# Altium PCB LimeSDR-Micro_M.2_1v0.PcbDoc (part 5 of 7)
Units mm, origin at the board's own origin, x right, y up, seen from the top; angles counter-clockwise.
Board outline 80 x 22 mm, 8 copper layers (Top, L2, L3, L4, L5, L6, L7, Bottom), stack 0.775 mm thick; 661 components, 371 nets, 2334 pads, 807 vias.
Unrouted connection lines stored in the file: 254.
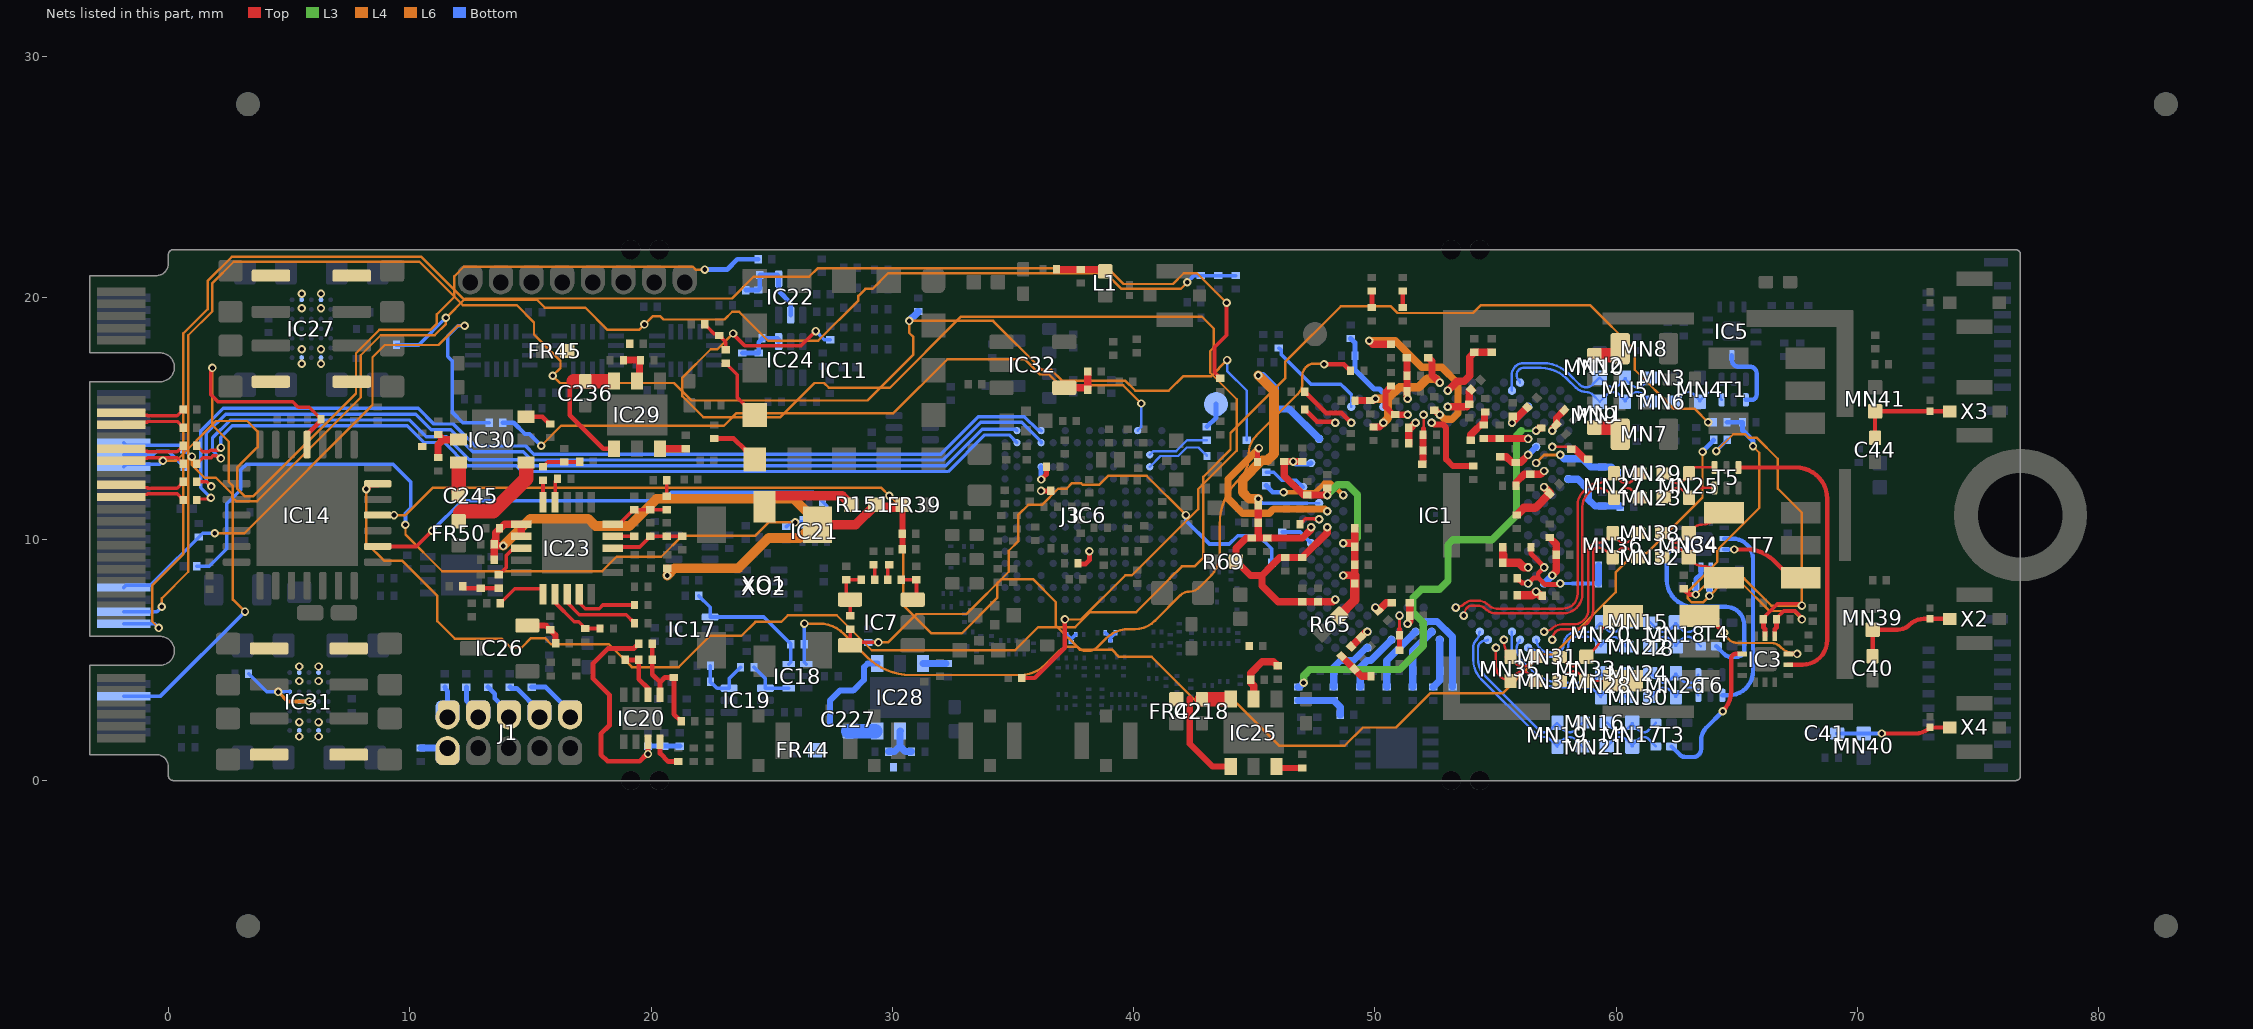
[diagram p11: the nets of this part, all layers, seen from the top]

## Via types
v1: diameter 0.35, hole 0.2, Top to Bottom, tented both sides, 696 vias
v2: diameter 0.35, hole 0.2, L5 to Bottom, tented both sides, 73 vias
v3: diameter 0.4, hole 0.2, Top to Bottom, tented both sides, 30 vias
v4: diameter 0.5, hole 0.2, Top to Bottom, tented both sides, 8 vias

## Nets (pads, with @x,y where several pads share a name; then routed paths per layer and width w, separated by ;. In a path a pad name is that pad's centre, name@x,y a point inside that pad or via, vN(x,y) a via of type N, cw(c..) or ccw(c..) an arc to the next point about the centre after c; other vN are vias at no path point) (continued)
NetC52_1: C52.1 C53.1 C59.1 C60.1 C61.1 C62.1 C63.1 C64.1 IC1.AA29 IC1.AE29 IC1.L33 IC1.R31 R65.2 | length 13.3
  Top w0.3: C60.1@46.98,13.219 C59.1@46.246,13.219 46.246,12.618 47.036,11.828 v1(48.02,11.828) C52.1@48.02,12.12 ; v1(48.686,9.83) 49.163,9.83 C63.1@49.163,10.46 ; v1@48.715,8.488 48.709,8.488 48.696,8.502 48.696,8.508 49.163,8.508 C61.1@49.163,8.935 C64.1@49.163,9.69
  Top w0.4: R65.2@48.516,6.825 49.163,7.472 C62.1@49.163,8.165 49.163,8.508
  L3 w0.3: v1(48.02,11.828) 48.445,12.253 48.862,12.253 49.275,11.84 49.275,10.059 49.046,9.83 v1(48.686,9.83)
  Bottom w0.2: v1(46.613,13.215) 46.71,13.118 47.206,13.118 47.219,13.131 47.326,13.131 IC1.L33@47.354,13.16
  other v1: 48.686,8.498
NetC54_1: C54.1 C55.1 C56.1 FR7.1 IC1.A17 IC1.C25 IC1.F24 | length 6.8
  Top w0.3: FR7.1@49.168,15.745 C56.1@49.813,15.745 49.926,15.745 50.005,15.824 v1(50.018,15.824) ; C54.1@49.94,14.651 50.19,14.651 50.351,14.812 v1(50.351,14.825) ; C55.1@52.216,17.525 52.366,17.375 52.366,16.807 v1(52.682,16.49)
  L4 w0.35: v1(50.018,15.824) 50.541,15.824 ; v1(50.351,14.825) 50.541,15.015 50.541,15.824 ; v1(52.682,16.49) 52.522,16.65 52.166,16.65 51.816,16.3 51.017,16.3 50.541,15.824
NetC57_2: C57.2 FR6.1 IC1.M4 | length 1.5
  Top w0.3: FR6.1@55.843,12.215 55.843,12.349 56.189,12.695 C57.2@56.438,12.695 56.866,12.695 56.998,12.827 v1(57.011,12.827)
NetC58_1: C58.1 FR5.1 IC1.AL21 | length 0.9
  Top w0.3: v1(51.35,6.5) 51.35,6.514 51.442,6.606 C58.1@51.442,6.825 51.442,7.37 FR5.1@51.441,7.37
NetC65_1: C65.1 IC1.G5 R66.1 | length 19.2
  Top w0.3: v1(56.678,14.492) 56.692,14.492 56.805,14.605 C65.1@56.891,14.605
  L3 w0.11: 56.074,14.492 v1@56.597,14.492
  L3 w0.3: v1(47.045,4.055) 47.045,4.345 47.3,4.6 51.025,4.6 52,5.575 52,6.55 51.575,6.975 51.575,7.575 51.925,7.925 52.675,7.925 53.025,8.275 53.025,9.775 53.225,9.975 54.85,9.975 55.866,10.991 55.866,14.3 56.066,14.5
  Bottom w0.3: R66.1@46.816,3.881 46.871,3.881 v1(47.045,4.055)
NetC66_1: C66.1 FR10.1 IC1.P4 | length 2.1
  Top w0.35: FR10.1@55.9,11.025 56.175,11.3 56.648,11.3 C66.1@57.24,11.892 57.24,11.932 v1(57.011,12.161)
NetC67_1: C67.1 FR21.1 IC1.D6 IC1.F8 | length 1.8
  Top w0.3: v1(55.679,14.825) 55.679,14.831 FR21.1@56.315,15.467
  Bottom w0.3: v1(55.679,14.825) IC1.D6@56.345,15.491
NetC68_1: C68.1 FR20.1 IC1.B16 | length 2.9
  Top w0.3: v1(53.015,16.157) 53.408,16.55 53.704,16.55 53.925,16.771 53.925,17.554 C68.1@54.116,17.745 FR20.1@54.841,17.745
NetC69_1: C69.1 C70.1 FR19.1 IC1.E19 | length 2
  Top w0.11: 52.016,14.6 v1(52.016,15.158)
  Top w0.2: C69.1@52.016,14.305 52.016,14.33 52.016,14.6
  Top w0.3: FR19.1@51.991,13.205 51.991,13.778 C69.1@51.991,14.305
NetC71_2: C71.2 FR18.1 IC1.F20 | length 1
  Top w0.3: FR18.1@51.396,13.975 C71.2@51.396,14.625 51.483,14.625 v1(51.683,14.825)
NetC72_1: C72.1 FR17.1 IC1.AJ25 | length 0.7
  Top w0.3: C72.1@50.14,7.038 50.472,7.37 FR17.1@50.691,7.37
  other v1: 50.018,7.166
NetC73_1: C73.1 IC1.AP26 R67.1 | length 2.5
  Bottom w0.3: R67.1@48.291,3.88 C73.1@48.291,4.55 48.291,4.689 48.577,4.975 49.112,4.975 49.628,5.491 49.676,5.491 IC1.AP26@49.685,5.501
NetC74_1: C74.1 FR15.1 IC1.AN23 | length 2.6
  Bottom w0.3: FR15.1@49.386,3.88 49.391,3.88 C74.1@49.391,4.55 49.391,4.689 49.677,4.975 49.825,4.975 IC1.AN23@50.684,5.834
NetC75_1: C75.1 FR14.1 IC1.AM20 | length 2.8
  Bottom w0.3: FR14.1@50.491,3.88 C75.1@50.491,4.55 50.491,4.975 IC1.AM20@51.683,6.167
NetC76_1: C76.1 FR13.1 IC1.AL19 | length 3.6
  Bottom w0.3: IC1.AL19@52.016,6.5 52.03,6.5 52.122,6.592 52.574,6.592 53.211,5.955 C76.1@53.211,4.55 FR13.1@53.211,3.88
NetC77_1: C77.1 FR12.1 IC1.AG5 | length 1.1
  Top w0.35: FR12.1@55.946,7.675 56.521,7.675 v1(56.678,7.832) C77.1@56.86,7.65
NetC78_2: C78.2 FR11.1 IC1.AD6 | length 2.1
  Top w0.3: FR11.1@55.296,9.025 C78.2@55.296,9.675
  Top w0.35: 55.321,9.35 55.321,9.025 55.972,9.025 56.166,8.831 v1(56.345,8.831)
NetC79_1: C79.1 FR9.1 IC1.J3 | length 1.6
  Top w0.11: v1(57.344,13.826) 58.045,13.826 C79.1@58.046,13.825
  Top w0.3: C79.1@58.141,13.73 58.286,13.73 58.701,13.315 FR9.1@58.843,13.315
NetC80_2: C80.2 FR8.1 IC1.J5 IC1.K6 | length 1.9
  Top w0.3: FR8.1@55.188,13.42 55.446,13.42 55.681,13.185 C80.2@55.838,13.185 56.037,13.185 v1(56.345,13.493)
  Bottom w0.25: v1(56.345,13.493) IC1.J5@56.678,13.826
NetC81_2: C81.2 FR16.1 R66.2 R67.2 | length 2.2
  Bottom w0.3: R66.2@46.816,3.321 R66.2@46.841,3.321 ; R66.2@46.841,3.32 C81.2@47.591,3.32 R67.2@48.291,3.32 48.316,3.32 48.316,3.295 48.561,3.05 FR16.1@48.561,2.725
NetC82_1: C82.1 FR22.1 IC1.K2 IC1.L5 | length 3.8
  L4 w0.11: v1(56.678,13.16) 57.011,13.493 v1(57.677,13.493)
  Bottom w0.3: v1(57.677,13.493) 57.837,13.333 58.608,13.333 58.946,12.995 C82.1@59.416,12.995 59.791,12.995 60.016,12.77 60.041,12.77 FR22.1@60.041,12.745
NetC83_1: C83.1 C84.1 FR25.1 IC1.C21 | length 1.7
  Top w0.3: v1@51.325,15.824 C83.1@51.325,16.125 C84.1@51.325,16.775 FR25.1@51.325,17.525
  other v1: 51.35,15.824
NetC85_1: C85.1 C86.1 C87.1 FR24.1 IC1.AD4 IC1.AF2 IC1.AF6 | length 6
  Top w0.2: C85.1@55.893,8.39 55.893,8.365 55.943,8.315 55.968,8.315 56.096,8.187 56.323,8.187 v1(56.345,8.165) 56.58,8.4 56.766,8.4 ; C86.1@56.466,9.675 56.466,9.395 57.011,8.849 v1(57.011,8.831) 56.766,8.585 56.766,8.4 ; v1(57.677,8.165) 57.649,8.136 57.543,8.136 57.529,8.123 57.043,8.123 56.766,8.4
  Bottom w0.11: v1(57.677,8.165) 58.182,8.165
  Bottom w0.15: 58.182,8.165 C87.1@59.261,8.165
  Bottom w0.3: C87.1@59.261,8.165 FR24.1@59.261,8.9
NetC88_1: C88.1 FR23.1 IC1.AN17 | length 2.1
  Bottom w0.3: FR23.1@52.416,3.88 52.682,4.146 C88.1@52.682,4.55 IC1.AN17@52.682,5.834
NetC89_1: C89.1 IC1.D24 R68.1 | length 3.5
  Bottom w0.11: IC1.D24@50.351,15.491 50.351,16.065
  Bottom w0.22: R68.1@48.991,18.32 49.171,18.14 C89.1@49.171,17.6 49.171,17.02 49.966,16.225 50.191,16.225 50.351,16.065
NetC90_1: C90.1 C91.1 C92.1 C93.1 C94.1 C95.1 C96.1 C97.1 C98.1 C99.1 IC1.AH30 IC1.H32 IC1.T32 IC1.W31 IC1.W33 R69.2 | length 27.7
  Top w0.3: R69.2@44.241,9.075 R69.2@44.241,9.1 ; v1@45.161,11.675 C94.1@45.161,11.408 C95.1@45.161,10.691 45.161,10.05 ; 45.716,8.899 45.316,8.499 ; 45.716,8.9 46.056,9.241 C91.1@46.291,9.241 C90.1@46.991,9.241 48.02,10.27 v1(48.02,10.496) ; v1(47.354,10.496) 47.345,10.486 47.345,10.395 46.999,10.05 C96.1@45.546,10.05 45.161,10.05 ; v1(48.353,7.499) 48.34,7.499 48.248,7.407 C99.1@47.641,7.407 C98.1@46.991,7.407 45.984,7.407 45.316,8.075 45.316,8.499 ; R69.2@44.241,9.1 44.842,8.499 45.316,8.499 ; R69.2@44.241,9.1 44.241,9.625 44.666,10.05 C97.1@44.891,10.05 45.161,10.05
  L4 w0.4: v1(45.166,11.675) 44.791,11.675 44.516,11.95 44.516,12.464 45.327,13.275 45.55,13.275 45.816,13.541 45.816,16.139 v1(45.166,16.789)
  Bottom w0.11: 47.183,11.495 IC1.T32@47.687,11.495
  Bottom w0.15: v1(45.166,11.675) 45.346,11.495 47.183,11.495
  Bottom w0.3: v1(45.166,16.789) 45.346,16.789 45.866,16.269 C93.1@45.866,16.15 C92.1@45.866,15.4 46.446,15.4 IC1.H32@47.687,14.159
NetC100_1: C100.1 FR26.1 IC1.G3 | length 1.1
  Top w0.3: v1(57.344,14.492) 57.354,14.502 57.354,14.584 57.535,14.766 57.522,14.779 57.522,15.027 FR26.1@57.843,15.348
NetC101_1: C101.1 FR33.1 IC1.E21 | length 2
  Top w0.25: FR33.1@50.666,16.345 50.641,16.345 50.616,16.32 50.616,16.295 50.441,16.12 50.441,15.487 50.77,15.158 v1(51.35,15.158)
NetC102_1: C102.1 FR32.1 IC1.D16 | length 1.6
  Top w0.3: v1(53.015,15.491) 53.811,15.491 C102.1@53.911,15.591 53.911,16.125 FR32.1@53.986,16.2
NetC103_1: C103.1 FR31.1 IC1.E17 | length 7.8
  Top w0.3: v1(49.766,18.225) 49.911,18.08 FR31.1@50.666,18.08 ; C103.1@52.466,15.345 52.491,15.345 52.678,15.158 v1(52.682,15.158)
  L4 w0.3: v1(49.766,18.225) 50.841,18.225 51.941,17.125 52.766,17.125 53.441,16.45 53.441,15.225 53.191,14.975 52.879,14.975 52.696,15.158 v1(52.682,15.158)
NetC104_1: C104.1 FR30.1 IC1.AK22 | length 1.4
  Top w0.11: 51.017,6.274 v1(51.017,6.833)
  Top w0.2: FR30.1@51.017,5.4 C104.1@51.017,6.025 51.017,6.274
NetC105_1: C105.1 FR29.1 IC1.AM18 | length 2.6
  Bottom w0.3: FR29.1@51.571,3.88 C105.1@51.571,4.55 51.571,5.389 IC1.AM18@52.349,6.167
NetC106_1: C106.1 FR28.2 IC1.AE3 IC1.AF4 | length 2.2
  Top w0.3: FR28.2@57.236,10.07 57.511,9.795 C106.1@57.511,9.35 57.511,8.678 57.344,8.512 v1(57.344,8.498)
  Bottom w0.3: IC1.AF4@57.011,8.165 v1(57.344,8.498)
NetC107_1: C107.1 FR27.2 IC1.N1 | length 2.9
  Bottom w0.3: IC1.N1@58.01,12.494 58.021,12.483 58.413,12.483 58.841,12.055 58.841,11.65 59.116,11.375 C107.1@59.416,11.375 ; C107.1@59.416,11.38 FR27.2@60.161,11.38
NetC108_1: C108.1 FR35.1 IC1.AM26 | length 0.9
  Top w0.3: FR35.1@49.014,5.548 49.623,6.157 49.676,6.157 v1(49.685,6.167)
NetC109_1: C109.1 FR34.2 IC1.H6 | length 1.9
  Top w0.3: FR34.2@54.491,14.17 55.141,14.17 56.321,14.17 56.332,14.159 v1(56.345,14.159)
NetC110_1: C110.1 FR35.2 R71.2 | length 1.6
  Top w0.3: FR35.2@48.618,5.152 C110.1@49.155,4.615 49.445,4.325 R71.2@49.836,4.325
NetC111_1: C111.1 FR34.1 R70.1 | length 1.4
  Top w0.3: C111.1@53.966,14.105 53.966,14.325 54.541,14.9 54.541,15.27 R70.1@54.566,15.27
NetC125_1: C125.1 R85.1 | length 0.6
  Top w0.15: R85.1@29.22,8.945 29.275,8.89 C125.1@29.275,8.325
NetC125_2: C125.2 IC7.4 R80.2 R81.2 | length 2
  Top w0.15: IC7.4@28.095,7.66 R80.2@28.095,8.325 C125.2@28.715,8.325 ; R81.2@28.25,6.83 IC7.4@28.25,7.495
  Top w0.2: R81.2@28.25,6.83 R81.2@28.255,6.825
NetC131_1: C131.1 R89.1 | length 0.6
  Top w0.15: C131.1@29.815,8.325 29.815,8.89 R89.1@29.87,8.945
NetC131_2: C131.2 IC7.3 R91.2 | length 1.5
  Top w0.15: C131.2@30.375,8.325 30.995,8.325 R91.2@31,8.32 31,7.655 IC7.3@30.845,7.5
NetC167_1: C167.1 L1.2 R113.1 | length 2.1
  Top w0.3: R113.1@36.8,21.18 C167.1@37.8,21.18 38.745,21.18 L1.2@38.825,21.1
NetC170_1: C170.1 FR37.1 R114.2 | length 1.5
  Top w0.15: R114.2@22.23,18.9 22.23,18.875 22.305,18.8 22.33,18.8 22.61,18.52 22.75,18.52 C170.1@22.825,18.445 22.85,18.445 22.925,18.37 22.925,18.345 23.1,18.17 FR37.1@23.1,17.855
NetC185_1: C185.1 C186.1 FR39.1 R151.2 XO1.5 XO2.4 | length 5.7
  Top w0.25: C185.1@30.415,9.58 C186.1@30.415,10.225 30.415,11.375 FR39.1@30.425,11.375
  Top w0.4: XO1.5@26.9,10.6 28.475,10.6 R151.2@29.3,11.425 ; R151.2@29.3,11.325 FR39.1@30.365,11.325 ; FR39.1@30.365,11.425 FR39.1@30.415,11.375
NetC192_2: C192.2 IC19.3 R159.2 R165.1 | length 2.6
  Bottom w0.15: C192.2@22.463,4.75 R159.2@22.463,4.1 22.463,4.075 22.538,4 22.563,4 22.738,3.825 IC19.3@23.238,3.825 23.238,4.23 R165.1@23.708,4.7
NetC193_1: C193.1 IC20.7 R170.1 R173.1 R174.1 | length 10.8
  Top w0.2: R173.1@19.495,5.675 19.495,5.65 19.445,5.6 19.42,5.6 19.295,5.475 18.22,5.475 17.6,4.855 17.6,4.225 18.275,3.55 18.275,2.28 17.925,1.93 17.925,1.075 18.2,0.8 19.534,0.8 19.834,1.1 v1(19.875,1.1) IC20.7@19.875,1.6
  Bottom w0.2: v1(19.875,1.1) R174.1@19.875,1.425 R170.1@21.2,1.425
NetC195_1: C195.1 FR40.2 IC20.1 R164.1 R173.2 | length 4.8
  Top w0.2: R164.1@20.055,5 20.055,4.395 20.375,4.075 ; R164.1@20.055,5.075 R173.2@20.055,5.675 ; IC20.1@20.375,3.55 20.375,4.075 ; FR40.2@21.25,2.455 20.95,2.755 C195.1@20.95,4.27 20.57,4.27 20.375,4.075
NetC197_2: C197.2 C198.2 C199.2 FR41.2 IC23.6 IC23.7 | length 24.8
  Top w0.3: C199.2@13.505,9.15 C197.2@13.505,9.775 ; v1(13.875,9.725) 13.865,9.735 13.57,9.735 13.53,9.775 C197.2@13.505,9.775 ; IC23.7@14.625,10.125 IC23.6@14.625,10.625 13.925,10.625 13.565,10.265 13.565,9.973 13.505,9.913 C197.2@13.505,9.8 C197.2@13.505,9.775 ; v1(20.675,8.5) FR41.2@20.675,8.795
  L6 w0.4: v1(13.875,9.725) 15,10.85 17.4,10.85 17.7,10.55 19.1,10.55 20.225,11.675 25.925,11.675 26.525,11.075 26.525,10.4 26.175,10.05 24.875,10.05 23.625,8.8 20.975,8.8 v1(20.675,8.5)
NetC201_1: C201.1 C202.2 R176.1 | length 1.6
  Top w0.15: C201.1@15.525,13.005 15.55,13.005 15.625,13.08 15.625,13.105 15.72,13.2 R176.1@16.4,13.2 17.04,13.2 C202.2@17.045,13.205
NetC201_2: C201.2 IC23.5 | length 1
  Top w0.15: IC23.5@15.475,11.475 IC23.5@15.525,11.525 C201.2@15.525,12.445
NetC205_1: C205.1 C208.2 IC23.18 R179.1 | length 3.1
  Top w0.15: IC23.18@18.425,9.625 18.48,9.68 19.535,9.68 19.875,10.02 19.875,10.045 19.95,10.12 C205.1@19.975,10.12 C208.2@20.65,10.12 R179.1@21.3,10.12
NetC207_2: C207.2 IC22.1 IC22.5 R175.1 R178.1 | length 3.8
  Bottom w0.2: R178.1@23.93,20.325 24.445,20.325 R175.1@24.45,20.33 24.455,20.33 24.505,20.38 C207.2@24.505,20.95 25.239,20.95 25.289,20.9 IC22.1@25.289,20.79 25.289,20.286 25.789,19.786 IC22.5@25.789,19.29
NetC209_1: C209.1 IC23.8 | length 1.7
  Top w0.15: C209.1@13.7,8.53 13.725,8.53 13.8,8.605 13.8,8.63 14,8.83 14,9.325 14.3,9.625 IC23.8@14.625,9.625
NetC209_2: C209.2 C210.1 R185.2 | length 1.5
  Top w0.2: C210.1@12.2,7.97 R185.2@12.925,7.97 ; R185.2@12.975,7.97 C209.2@13.7,7.97
NetC211_2: C211.2 IC23.4 | length 1
  Top w0.15: IC23.4@16.025,11.525 16.025,12.38 16.12,12.475 C211.2@16.12,12.5
NetC213_1: C213.1 R189.1 | length 0.7
  Top w0.15: C213.1@20.65,11.78 20.65,12.445 R189.1@20.655,12.45
NetC213_2: C213.2 C214.2 IC23.20 R184.2 | length 2.5
  Top w0.15: IC23.20@18.425,10.625 18.673,10.625 R184.2@19.284,11.236 ; R184.2@19.3,11.22 C214.2@19.975,11.22 C213.2@20.65,11.22
NetC215_1: C215.1 IC23.12 R192.1 | length 2.7
  Top w0.15: IC23.12@16.025,7.725 16.025,7.375 16.825,6.575 17,6.575 C215.1@17.275,6.3 ; C215.1@17.375,6.3 R192.1@17.89,6.3 R192.1@17.965,6.375
NetC217_2: C217.2 IC24.1 R187.1 R191.1 | length 2.1
  Bottom w0.2: R191.1@23.789,17.72 R187.1@24.464,17.72 24.464,18.159 24.605,18.3 C217.2@24.605,18.325 25.239,18.325 25.289,18.275 IC24.1@25.289,18.19
NetC218_2: C218.2 FR42.2 IC25.1 IC25.6 R198.1 | length 5.1
  Top w0.25: 42.325,3.4 42.325,1.525 43.275,0.575 IC25.1@44.025,0.575
  Top w0.6: C218.2@42.825,3.375 IC25.6@43.975,3.375
NetC223_2: C223.2 IC25.3 | length 1.1
  Top w0.25: IC25.3@45.925,0.525 C223.2@46.995,0.525
NetC227_2: C227.2 FR44.2 IC28.1 IC28.6 R204.1 | length 5
  Bottom w0.25: 27.425,2.375 27.425,3.325 27.825,3.725 28.375,3.725 28.825,4.175 28.825,4.7 28.975,4.85 IC28.1@29.375,4.85
  Bottom w0.6: C227.2@28.175,2.05 IC28.6@29.3,2.05
NetC232_2: C232.2 IC28.3 | length 0.9
  Bottom w0.3: IC28.3@31.275,4.85 C232.2@32.22,4.85
NetC236_2: C236.2 FR45.2 IC29.1 IC29.6 R210.1 | length 5.5
  Top w0.2: 16.632,16.55 16.632,15.143 18.025,13.75 IC29.1@18.475,13.75
  Top w0.6: 16.8,16.55 C236.2@17.275,16.55 IC29.6@18.425,16.55
NetC242_2: C242.2 IC29.3 | length 0.9
  Top w0.3: IC29.3@20.375,13.75 C242.2@21.32,13.75
NetC245_2: C245.2 FR50.2 IC30.1 IC30.6 R214.1 | length 5
  Top w0.6: C245.2@12.025,11.975 IC30.6@12.025,13.1 ; 12.1,11.1 12.15,11.15 13.461,11.15 14.825,12.514 IC30.1@14.825,13.1
NetC251_2: C251.2 IC30.3 | length 1.1
  Top w0.2: IC30.3@14.825,15.075 15.5,15.075 15.75,14.825 15.75,14.8 15.8,14.75 C251.2@15.825,14.75
NetFR36_2: FR36.2 IC11.9 | length 2.1
  Top w0.2: FR36.2@22.625,14.17 23.43,14.17 23.9,13.7 23.925,13.7 24.3,13.325 IC11.9@24.3,13.3
NetFR37_2: FR37.2 IC11.10 | length 2.6
  Top w0.15: FR37.2@23.1,17.295 23.575,16.82 23.575,15.875 IC11.10@24.3,15.15
NetIC1_AA33: IC1.AA33 R7.2 | length 1.4
  Bottom w0.15: R7.2@46.166,10.3 46.901,10.3 47.354,9.847 IC1.AA33@47.354,9.83
NetIC1_D28: IC1.D28 R23.1 | length 4.4
  Bottom w0.11: IC1.D28@49.019,15.491 49.019,15.995
  Bottom w0.15: R23.1@46.016,17.92 46.041,17.92 46.116,17.845 46.116,17.655 47.346,16.425 48.587,16.425 48.787,16.225 48.79,16.225 49.019,15.995
NetIC1_F18: IC1.F18 R35.1 | length 3.2
  Top w0.25: v1(52.349,14.825) 52.376,14.825 52.443,14.758 52.805,14.758 52.951,14.612 52.951,13.315 53.236,13.03 R35.1@54.066,13.03
NetIC1_F28: IC1.F28 R22.1 | length 2.5
  Top w0.2: R22.1@47.096,16.107 47.977,15.225 48.619,15.225 v1(49.019,14.825)
NetIC1_F30: IC1.F30 R21.1 | length 1.5
  Top w0.2: R21.1@47.096,15.375 47.096,15.35 47.146,15.3 47.171,15.3 47.604,14.867 48.271,14.867 48.313,14.825 v1(48.353,14.825)
NetIC1_P34: IC1.P34 R24.1 | length 1.8
  Bottom w0.15: R24.1@45.491,12.78 45.811,12.78 46.141,12.45 46.732,12.45 IC1.P34@47.021,12.161
NetIC1_R29: IC1.R29 R24.2 | length 3.7
  L4 w0.2: v1(46.216,11.95) 47.516,11.95 47.891,12.325 48.189,12.325 v1(48.686,11.828)
  Bottom w0.2: R24.2@45.491,12.22 45.516,12.22 45.566,12.17 45.566,12.145 45.761,11.95 v1(46.216,11.95)
NetIC1_U31: IC1.U31 R25.2 | length 7.7
  Top w0.15: v1@48.003,11.179 v1(48.02,11.162)
  Top w0.2: R25.2@45.136,13.2 45.136,13.679 45.191,13.734 v1(45.191,13.775)
  L4 w0.3: v1(45.191,13.775) 43.916,12.5 43.916,11.675 44.516,11.075 45.616,11.075 45.791,11.25 47.507,11.25 47.511,11.254 47.863,11.254 47.867,11.25 47.932,11.25 v1(48.02,11.162)
NetIC1_V32: IC1.V32 R8.2 | length 0.9
  Top w0.15: R8.2@46.896,10.625 46.896,10.65 46.971,10.725 46.996,10.725 47.117,10.846 47.499,10.846 47.516,10.829 v1(47.687,10.829) v1@47.67,10.846
NetIC6_E8: IC6.E8 R104.1 | length 0.9
  Top w0.2: R104.1@37.696,9 37.721,8.975 38.016,8.975 38.167,9.126 v1(38.167,9.5)
NetIC6_K4: IC6.K4 R84.1 | length 0.4
  Top w0.2: v1(36.167,12) R84.1@36.561,12
NetIC6_M4: IC6.M4 R83.1 | length 1.1
  Top w0.2: v1(36.175,12.475) 36.387,12.687 R83.1@36.387,13
  Bottom w0.2: IC6.M4@36.167,13 36.167,12.483 v1(36.175,12.475)
NetIC6_M13: IC6.M13 R90.1 | length 2.9
  Bottom w0.1: IC6.M13@40.667,13 41.117,13.45 41.849,13.45 42.199,13.8 42.686,13.8 42.911,13.575 42.936,13.575 43.036,13.475 R90.1@43.036,13.45
NetIC6_N13: IC6.N13 R82.2 | length 2.6
  Bottom w0.1: IC6.N13@40.667,13.5 40.675,13.5 40.825,13.65 41.766,13.65 42.216,14.1 R82.2@43.036,14.1
NetIC6_R12: IC6.R12 R79.2 | length 30.2
  L6 w0.1: v1(15.45,13.875) 16.275,14.7 23.025,14.7 23.55,15.225 30.05,15.225 32.275,17.45 35.492,17.45 36.117,16.825 36.5,16.825 36.95,16.375 39.567,16.375 v1(40.317,15.625)
  Bottom w0.1: IC6.R12@40.167,14.5 40.317,14.65 v1(40.317,15.625)
  Bottom w0.18: R79.2@13.855,14.825 14.316,14.825 14.781,14.36 14.965,14.36 v1@15.417,13.908
NetIC7_5: IC7.5 R81.1 R87.2 R88.1 | length 25.2
  Top w0.15: IC7.5@28.045,5.6 IC7.5@28.245,5.6 cw(c28.37,5.6) IC7.5@28.25,5.635 ; R81.1@28.25,6.27 IC7.5@28.25,5.635 ; v1(29.425,5.725) 28.37,5.725 ccw(c28.37,5.6) IC7.5@28.25,5.635
  L6 w0.1: v1(29.425,5.725) 29.825,5.725 31,6.9 33.075,6.9 34.825,8.65 34.825,9.525 35.225,9.925 35.225,11.018 35.632,11.425 36.2,11.425 36.875,12.1 37.226,12.1 37.451,12.325 37.816,12.325 37.891,12.25 38.568,12.25 38.943,12.625 40.541,12.625 v2(42.166,11)
  Bottom w0.15: R88.1@29,5.725 v1(29.425,5.725) v1@29.5,5.725 ; v2(42.166,11) 42.166,10.775 43.141,9.8 43.961,9.8 44.311,10.15 45.175,10.15 45.72,9.605 R87.2@45.72,9.025
NetIC17_4: IC17.4 IC18.3 R156.1 R157.2 | length 5.8
  Bottom w0.15: R157.2@21.98,7.65 22.45,7.18 IC17.4@22.45,6.775 24.67,6.775 25.695,5.75 25.72,5.75 25.795,5.675 R156.1@25.795,5.65 25.795,4.908 IC18.3@25.713,4.825
NetIC18_1: IC18.1 IC19.4 R165.2 | length 2
  Bottom w0.15: R165.2@24.268,4.7 24.738,4.23 IC19.4@24.738,3.825 IC18.1@25.713,3.825
NetIC18_4: IC18.4 R156.2 R158.1 | length 32.8
  Top w0.2: v1(47.891,17.25) 48.711,17.25 48.911,17.05 48.936,17.05 48.986,17 R158.1@48.986,16.975
  L6 w0.1: v1(26.355,6.505) 26.963,6.505 cw(c26.963,5.038) 28,6.075 28.956,5.119 ccw(c30.752,6.915) 30.752,4.375 35.3,4.375 ccw(c35.3,5.862) 36.351,4.81 36.907,5.367 cw(c37.35,4.924) 37.35,5.55 37.56,5.55 cw(c37.56,5.294) 37.741,5.475 ccw(c37.982,5.716) 37.982,5.375 38.141,5.375 ccw(c38.141,5.858) 38.482,5.516 38.849,5.883 cw(c39.795,4.938) 39.795,6.275 40.048,6.275 ccw(c40.048,7.465) 40.889,6.624 41.949,7.684 cw(c42.291,7.342) 42.291,7.825 ccw(c42.291,8.429) 42.718,8.002 43.216,8.5 ccw(c42.371,9.345) 43.566,9.345 43.566,10.623 cw(c46.106,10.623) 44.31,12.419 44.391,12.5 ccw(c43.485,13.405) 44.766,13.405 44.766,13.525 cw(c45.852,13.525) 45.084,14.293 46.796,16.006 ccw(c46.327,16.475) 46.991,16.475 46.991,16.763 cw(c47.503,16.763) 47.141,17.125 47.186,17.17 cw(c47.439,16.918) 47.439,17.275 47.83,17.275 cw(c47.83,17.19) v1(47.891,17.25)
  Bottom w0.15: v1(26.355,6.505) R156.2@26.355,5.65 26.355,4.908 IC18.4@26.438,4.825
NetIC20_2: IC20.2 R163.2 R164.2 | length 2.2
  Top w0.2: R163.2@18.93,5 R164.2@19.495,5 19.495,4.205 19.875,3.825 IC20.2@19.875,3.55
NetIC20_8: IC20.8 R160.1 | length 1.4
  Top w0.2: IC20.8@20.38,1.595 IC20.8@20.375,1.6 20.375,1.125 20.715,0.785 R160.1@21.12,0.785
NetIC21_4: IC21.4 R168.2 R172.1 | length 33.1
  L6 w0.1: v2(9.825,10.6) 9.825,10.2 11.35,8.675 17.975,8.675 18.575,9.275 20.425,9.275 21.3,10.15 24.325,10.15 24.875,10.7 v1(25.975,10.7)
  Bottom w0.15: R172.1@1.18,8.875 1.7,8.875 2.425,9.6 2.425,11.475 3,12.05 3,12.875 3.225,13.1 9.32,13.1 10.05,12.37 10.05,11.3 9.825,11.075 v2(9.825,10.6) ; R168.2@25.6,10.53 25.625,10.53 25.795,10.7 v1(25.975,10.7)
  Bottom w0.2: v1(25.975,10.7) IC21.4@26.287,10.7
NetIC23_11: IC23.11 R181.2 | length 2.2
  Top w0.15: R181.2@13.755,7.35 14.355,7.95 15.525,7.95 IC23.11@15.525,7.725
NetIC23_13: IC23.13 R194.1 | length 3.5
  Top w0.15: IC23.13@16.525,7.725 16.525,7.375 17.025,6.875 18.97,6.875 R194.1@19.32,6.525
NetIC23_14: IC23.14 R195.1 | length 2.8
  Top w0.15: IC23.14@17.025,7.725 17.072,7.678 17.072,7.328 17.275,7.125 17.85,7.125 18,7.275 R195.1@19.32,7.275
NetIC23_19: IC23.19 R188.1 | length 0.9
  Top w0.15: IC23.19@18.425,10.125 19.295,10.125 R188.1@19.3,10.12
NetIC25_5: IC25.5 R199.2 R202.1 | length 2.6
  Top w0.3: IC25.5@44.905,3.445 IC25.5@44.975,3.375 44.975,3.925 44.85,4.05 R202.1@44.85,4.175 44.85,4.451 45.324,4.925 45.799,4.925 45.95,4.774 45.95,4.755 R199.2@45.975,4.755